# KiCad board DFTBoard.kicad_pcb (continued)
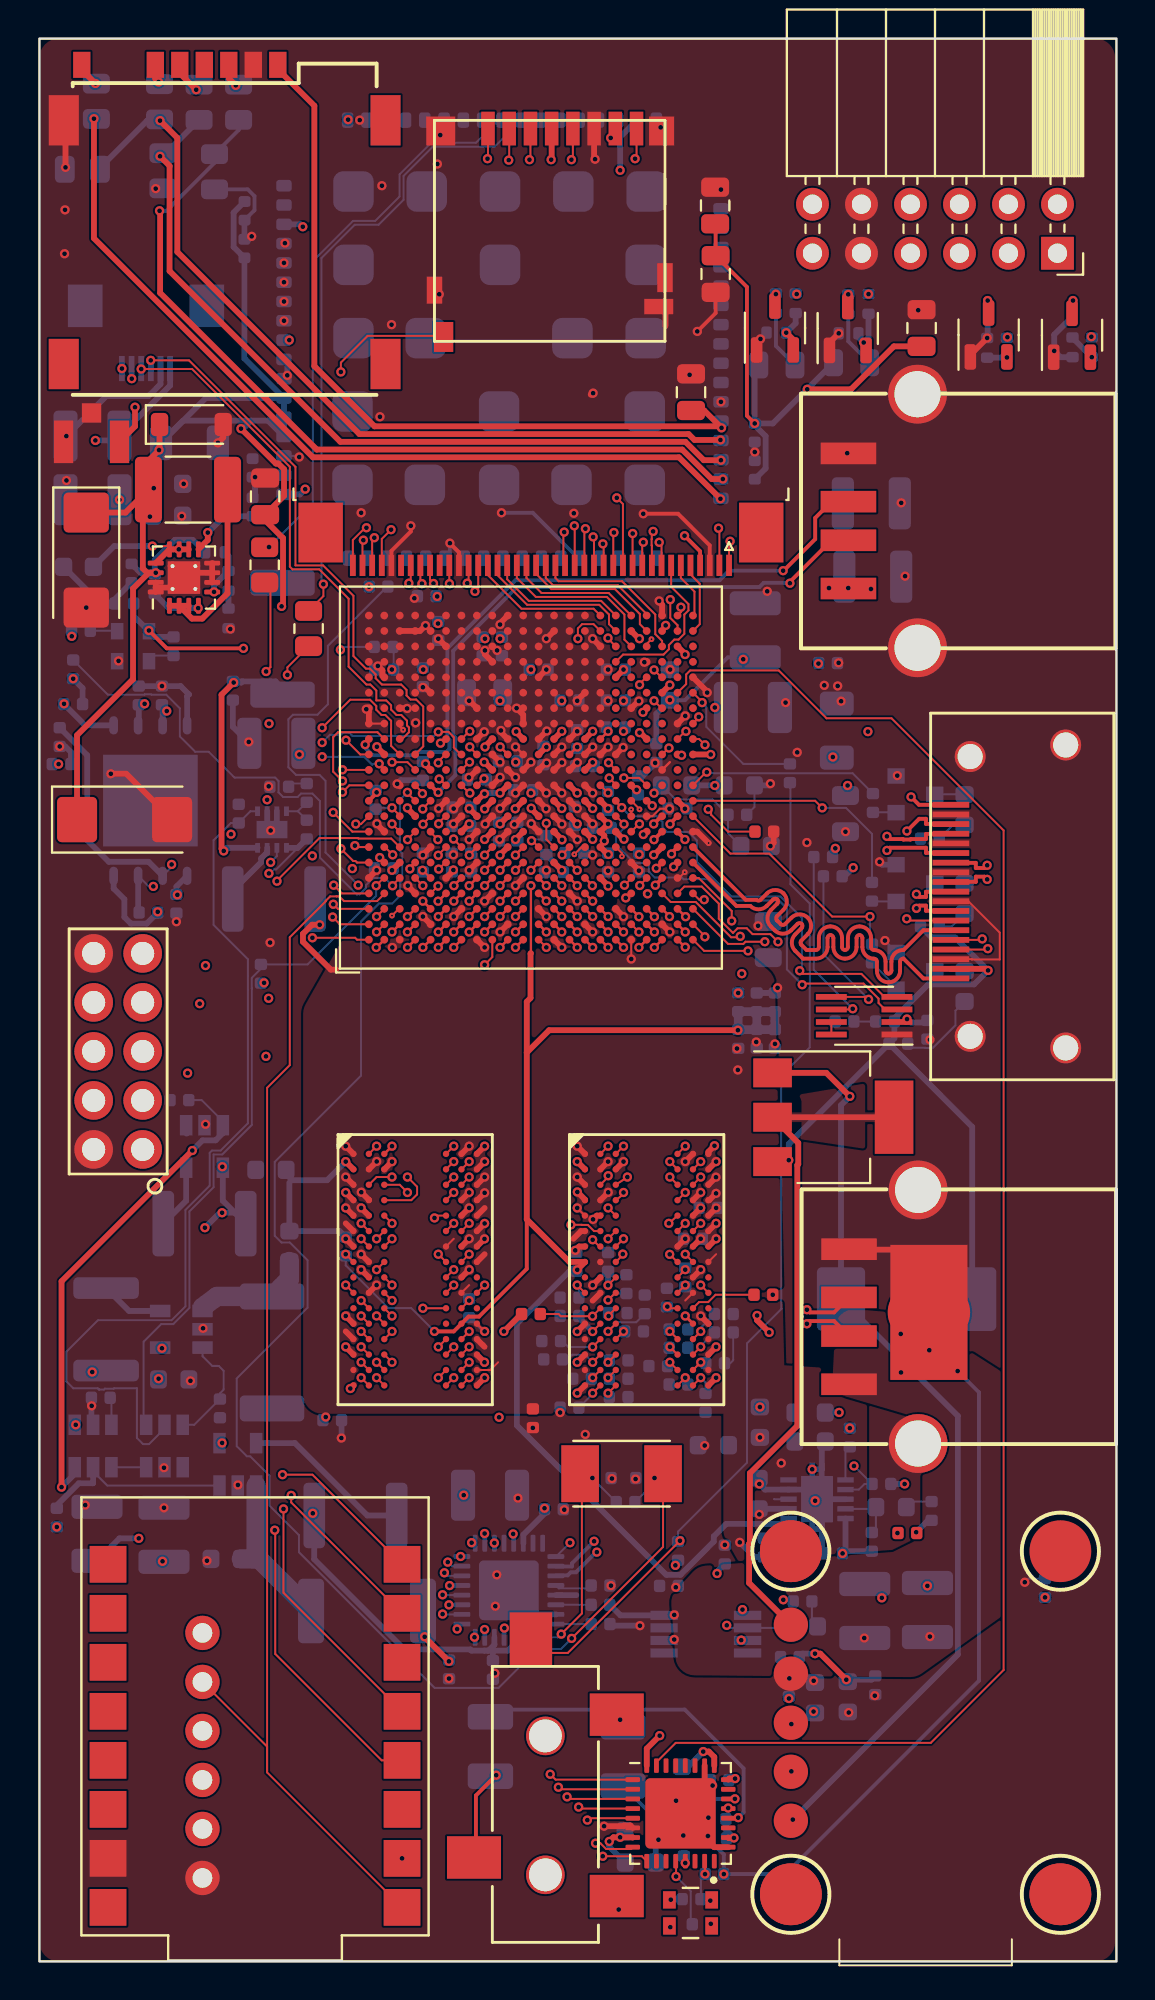
[diagram p0: board, top side]
## Routing (per net, layer and track width the routed paths; a pad name or vN(x,y) marks a point on that pad's centre or on a via; arc(x,y) is an arc through that point) (continued)
GNDA: length 42.7
  TOP_GND w0.3: U9.26 34.48,8.92 ; U9.33 34.98,5.92 U9.17
  BOTTOM w0.2: v1(47.59,30.59) 48.7,29.49 48.7,14.55 38.68,4.53 v1(35.47,4.53) 35.47,5.54 C62.2
  BOTTOM w0.3: C35.1 32.75,3.23 v1(32.72,3.2) ; C60.2 31.94,6.74
  vias: v1(30.03,2.69) v1(32.09,6.31) v1(32.7,1.78) v1(33,8.33) v1(33.38,6.53) v1(34.68,7.45) v1(34.65,6.5) v1(34.89,9.11) v1(35.7,7.95) v1(44.65,32.52) v1(44.66,30.52) v1(46.12,31.68)
/Audio/HPRCOM_C_N: length 5.4
  TOP_GND w0.2: v1(23.68,9.65) 22.62,8.6 22.62,4.69
/Audio/HPRCOM_C_P:
  vias: v1(30.1,12.53)
/Audio/HPSWITCH: length 52.6
  TOP_GND w0.102: v1(33.2,21.8) 27.39,15.99 25.58,15.99
  BOTTOM w0.102: R31.2 38.9,60.83 38.93,60.8 38.93,55.83 39.93,54.82 39.93,47.38 38.45,45.89 38.45,33.85 38.47,33.83 36.68,32.03 36.68,25.85 33.1,22.28 R28.1
/Audio/MICBIAS: length 2.3
  TOP_GND w0.102: v1(34.5,4.53) 34.5,5.18
  BOTTOM w0.102: 34.28,4.31 34.28,3.23 34.7,3.23 v1(34.78,3.15)
/Audio/SIG_F: length 3.5
  TOP_GND w0.102: v1(33,4.4) 33,5.18
  BOTTOM w0.102: 33.76,2 33.76,3.64 v1(33,4.4)
/Audio/SIGC_F:
  vias: v1(34.8,1.95)
/Comm/NetLight: length 35.1
  SIGNAL2 w0.3: v1(13.78,76.3) 13.78,77.1 22.15,85.48 42.04,85.48 v1(42.97,86.41)
  BOTTOM w0.3: U13.52 13.5,76.03 v1(13.78,76.3)
/Comm/sim_clk: length 41.5
  TOP_GND w0.3: v1(6.25,93.55) 6.75,93.05 6.75,87.6 15.6,78.75 33.48,78.75 34.44,77.8 v1(35.33,77.8)
  BOTTOM w0.3: R32.1 6.39,93.55
/Comm/sim_clk#: length 1.2
  TOP_GND w0.3: 7.28,97.85 v1(8.12,97)
/Comm/sim_data: length 43.5
  TOP_GND w0.3: v1(35.3,78.85) 33.95,78.85 33.65,79.15 16.59,79.15 7.15,88.59 7.15,94.5 v1(6.25,95.4)
  BOTTOM w0.3: v1(6.25,95.4) 5.58,95.4 3.14,92.96
/Comm/sim_data#: length 1
  TOP_GND w0.3: 6.01,98.29 6.01,97.57 v1(6.18,97.4)
/Comm/sim_det: length 44.3
  TOP_GND w0.3: v1(2.83,95.5) 2.83,89.3 14.18,77.95 33.15,77.95 v1(35.3,75.8)
/Comm/sim_det#: length 1
  TOP_GND w0.3: 2.2,98.03 v1(2.9,97.33)
/Comm/sim_rst: length 44.1
  TOP_GND w0.3: v1(35.43,76.83) 34.84,76.83 33.32,78.35 14.37,78.35 6.25,86.47 6.25,90.7 v1(6.23,90.73)
  BOTTOM w0.2: R42.1 10.33,94.91 C135.1 9.08,93.21 6.59,90.73 v1(6.23,90.73)
/Comm/sim_rst#: length 1.2
  TOP_GND w0.3: 9.82,98.29 9.82,97.59 v1(10.18,97.23)
/Comm/Status: length 28.5
  SIGNAL2 w0.3: v1(13.65,89.9) 17.65,85.9 38.74,85.9 v1(39.25,86.41)
  BOTTOM w0.3: v1(13.65,89.9) 13.53,90.03 U13.66
/Comm/VSIM: length 40.6
  TOP_GND w0.3: C16.1 34.46,80.38 v1(35.36,79.48) 35.28,79.56 17.37,79.56 14.25,82.68 14.25,96.17 12.36,98.07
/DDR3/PGOOD_LED: length 1
  BOTTOM w0.102: R102.1 45.22,23.83
/DDR3/VREF: length 99.8
  TOP_GND w0.102: U16.H1 v1(15.88,36.65) ; U20.P7 27.09,57.37 v1(27.09,57.34) ; v1(22.28,57.33) 22.28,57.36 U20.H7
  TOP_GND w0.12: 25.48,52.25 v1(25.48,55.75)
  TOP_GND w0.15: U15.M8 v1(33.47,33.45)
  TOP_GND w0.2: v1(20.48,32.65) 21.48,32.65 U16.M8 22.24,33.42 22.79,33.42 25.26,35.89 25.26,38.46
  TOP_GND w0.3: v1(36.21,48.26) 26.42,48.26 25.26,47.1 ; 25.26,47.1 25.26,38.46 27.47,36.25 U15.H1 ; 25.26,47.1 25.26,49.74 25.46,49.93 25.46,52.23 25.48,52.25 ; 28.28,36.24 v1(27.88,35.84)
  SIGNAL2 w0.102: v1(22.28,57.33) 22.67,56.95 22.67,56.39 22.9,56.16 25.07,56.16 v1(25.48,55.75) 25.87,56.14 26.45,56.14 26.68,56.38 26.68,56.93 v1(27.09,57.34)
  SIGNAL4 w0.15: v1(33.47,33.45) 33.24,33.69 33.24,33.87 30.86,36.24 28.9,36.24 28.88,36.26 28.29,36.26 v1(27.88,35.84)
  BOTTOM w0.102: v1(15.88,36.65) 15.88,36.07 18.09,33.86 19.27,33.86 v1(20.48,32.65)
  BOTTOM w0.12: 38.38,48.49 38.12,48.75
  BOTTOM w0.3: U8.1 38.55,22.67 35.6,22.67 34.96,22.03 34.96,21.76 33.23,20.03 32.49,20.03 24.75,27.78 24.75,33.04 27.47,35.77 C93.1
  BOTTOM w0.45: R48.1 R47.2 ; C95.1 C97.1 C96.2 C94.2 C95.1
/DDR3/ZQH: length 3.5
  TOP_GND w0.102: U15.L8 34.19,34.17 34.66,34.17 35.05,34.55 R46.1
/DDR3/ZQL: length 0.6
  TOP_GND w0.102: U16.L8 v1(22.28,34.25)
/LCD50/SLED0_D: length 1.5
  BOTTOM w0.102: Q8.3 47.94,60.49
/LCD50/SLED0_G: length 1.2
  BOTTOM w0.102: 43.16,59.55 44.39,59.55
/LCD50/SLED0_R: length 1.6
  BOTTOM w0.102: R78.2 47.35,58.9 D4.2
/LCD50/SLED1_D: length 1.5
  BOTTOM w0.102: Q9.3 47.94,55.89
/LCD50/SLED1_G: length 1.2
  BOTTOM w0.102: Q9.1 43.17,54.94
/LCD50/SLED1_R: length 1.6
  BOTTOM w0.102: D5.2 47.29,53.64 R80.1
/LCD50/SLED2_D: length 1.5
  BOTTOM w0.102: Q10.3 47.94,51.34
/LCD50/SLED2_G: length 1.8
  BOTTOM w0.102: R85.1 44.41,50.5
/LCD50/SLED2_R: length 4.2
  BOTTOM w0.102: D6.2 47.48,49.27 47.48,48.51 46.32,47.35 46.26,47.35 46.25,47.34 45.92,47.34 45.91,47.35 45.22,47.35
/USB/USBH_FLAG_LED: length 1
  BOTTOM w0.102: R35.1 40.04,17.65
AX_TCLK: length 46.6
  TOP_GND w0.102: v1(22.31,60.55) 22.27,60.55 U20.G11
  SIGNAL2 w0.102: CON1.1 3.96,43.47 3.96,45.1 3.05,46.01 2.29,46.01 1.66,46.64 1.66,53.35 14.73,66.43 21.74,66.43 23.49,64.67 23.49,62.78 23.47,62.77 23.47,62.02 23.21,61.76 22.95,61.76 22.65,61.46 22.65,61.14 22.68,61.11 22.68,60.92 v1(22.31,60.55)
AX_TDI: length 26.1
  TOP_GND w0.102: U20.H13 22.31,62.92 v1(22.31,62.94)
  SIGNAL2 w0.102: v1(22.31,62.94) 22.25,62.94 20.22,64.97 19.58,64.97 19.22,65.33 17.1,65.33 17.06,65.29 14.71,65.29 5.35,55.93 CON1.9
AX_TDO: length 35.4
  TOP_GND w0.102: v1(22.31,63.75) 22.28,63.75 U20.G14
  SIGNAL2 w0.102: v1(22.31,63.75) 20.6,65.45 19.67,65.45 19.39,65.73 14.35,65.73 3.96,55.35 3.96,46.01 CON1.3
AX_TMS: length 34.1
  TOP_GND w0.102: U20.G12 22.28,62.16 v1(22.29,62.16)
  SIGNAL2 w0.102: v1(22.29,62.16) 22.69,62.55 22.69,62.78 22.7,62.79 22.7,63.12 22.47,63.35 22.14,63.35 20.24,65.25 19.59,65.25 19.31,65.53 14.44,65.53 4.17,55.26 4.17,48.34 CON1.5
BOOTSPI_CS: length 27.6
  TOP_GND w0.102: v1(14.15,53.05) 16.36,53.05 16.46,52.95 U20.A1
  GND0 w0.102: v1(1.28,65.18) 0.6,64.5 0.6,60.45 6.78,54.28 12.93,54.28 v1(14.15,53.05)
  BOTTOM w0.3: R106.1 2.37,64.06 U19.1
BOOTSPI_DQ0_BMODE3: length 12.9
  TOP_GND w0.102: U20.A2 15.57,53.75 v1(15.2,54.13)
  GND0 w0.102: v1(15.2,54.13) 15.63,54.55 15.63,54.97 15.41,55.18 15,55.18 14.91,55.28 v1(7.15,55.28)
  BOTTOM w0.3: R92.1 7.1,55.7 U19.5
BOOTSPI_DQ1_BMODE1: length 21.4
  TOP_GND w0.102: 21.04,56.95 v1(20.7,56.61)
  GND0 w0.102: v1(20.7,56.61) 21.1,57.02 21.1,57.15 21.07,57.19 21.07,57.5 20.84,57.73 18.49,57.73 17.69,58.53 14.9,58.53 9.02,64.41 6.22,64.41 v1(5.45,65.18)
  BOTTOM w0.3: R94.1 5.15,64.09
BOOTSPI_DQ2_BMODE2: length 23
  TOP_GND w0.102: v1(20.66,55.73) 20.66,55.73 U20.E4
  GND0 w0.102: v1(20.66,55.73) 21.1,56.17 21.65,56.17 21.85,56.37 21.85,57.52 21.6,57.77 21.3,57.77 21.05,58.03 21.05,58.43 20.93,58.54 17.98,58.54 17.88,58.64 17.88,59.13 16.81,60.2 14.42,60.2 9.83,64.8 v1(6.6,64.8)
  BOTTOM w0.3: U19.3 6.39,65.09
BOOTSPI_DQ3_BMODE0: length 14.7
  TOP_GND w0.102: v1(15.23,54.79) 15.47,54.55 U20.A3
  GND0 w0.102: v1(5.9,55.71) 7.01,54.6 15.05,54.6 v1(15.23,54.79)
  BOTTOM w0.102: v1(5.9,55.71) 5.66,55.71 5.12,56.26
  BOTTOM w0.3: 5.12,56.26 5.12,54.41
BOOTSPI_SCK_BMODE4: length 23.1
  TOP_GND w0.102: v1(15.25,55.78) 15.68,55.35 U20.A4
  GND0 w0.102: v1(15.25,55.78) 13.72,55.78 12.15,57.35 9.93,57.35 9.43,56.85 v1(6.85,56.85)
  BOTTOM w0.102: U19.6 6.85,56.72 v1(6.85,56.85)
  BOTTOM w0.3: R91.1 2.48,62.51 2.48,58.11 3.59,56.99 5.66,56.99 U19.6
CLK33.33: length 1.4
  BOTTOM w0.102: R100.2 4,68.96
CS: length 28.6
  TOP_GND w0.102: 17.25,72.35 17.25,73.67 v1(17.36,73.78) ; U20.V8 31.08,58.95 v1(31.1,58.95)
  GND0 w0.102: v1(17.36,73.78) 18.02,73.12 18.02,67.77 19.02,66.77 19.02,65.97 21.77,63.22 21.77,62.92 22.14,62.55 26.18,62.55 26.19,62.53 30.08,62.53 30.09,62.52 30.44,62.52 32.25,60.71 32.25,59.72 31.88,59.34 31.49,59.34 v1(31.1,58.95)
DDR3_A0: length 51.6
  TOP_GND w0.102: U16.N3 v1(18.28,32.65) ; U15.N3 v1(30.28,32.65)
  TOP_GND w0.13: v1(26.27,54.96) 26.27,54.96 U20.M4
  SIGNAL4 w0.102: v1(26.27,54.96) 26.68,54.55 26.68,51.53 26.18,51.03 25.75,51.03 24.3,49.58 24.26,49.54 24.21,49.52 24.16,49.51 24.1,49.51 24.05,49.52 24,49.54 23.92,49.61 23.87,49.63 23.82,49.64 23.76,49.64 23.71,49.63 23.66,49.61 23.62,49.58 23.53,49.49 23.5,49.45 23.48,49.4 23.47,49.35 23.47,49.29 23.48,49.24 23.5,49.19 23.53,49.15 23.71,48.98 23.7,48.97 23.87,48.8 23.9,48.76 23.93,48.71 23.94,48.66 23.94,48.61 23.93,48.55 23.9,48.5 23.87,48.46 23.79,48.38 23.74,48.35 23.7,48.32 23.64,48.31 23.59,48.31 23.54,48.32 23.49,48.35 23.45,48.38 23.1,48.72 23.06,48.75 23.01,48.78 22.96,48.79 22.91,48.79 22.85,48.78 22.81,48.75 22.76,48.72 22.68,48.64 22.65,48.6 22.62,48.55 22.61,48.49 22.61,48.44 22.62,48.39 22.65,48.34 22.68,48.3 23.02,47.95 23.05,47.91 23.08,47.86 23.09,47.81 23.09,47.76 23.08,47.7 23.05,47.66 23.02,47.61 22.94,47.53 22.9,47.5 22.85,47.47 22.79,47.46 22.74,47.46 22.69,47.47 22.64,47.5 22.6,47.53 22.26,47.87 22.21,47.91 22.16,47.93 22.11,47.94 22.06,47.94 22.01,47.93 21.96,47.91 21.91,47.87 21.83,47.79 21.8,47.75 21.77,47.7 21.76,47.65 21.76,47.59 21.77,47.54 21.8,47.49 21.83,47.45 22.17,47.11 22.21,47.06 22.23,47.02 22.24,46.96 22.24,46.91 22.23,46.86 22.21,46.81 22.17,46.76 22.09,46.68 22.05,46.65 22,46.62 21.95,46.61 21.89,46.61 21.84,46.62 21.79,46.65 21.75,46.68 21.41,47.02 21.36,47.06 21.32,47.08 21.26,47.09 21.21,47.09 21.16,47.08 21.11,47.06 21.07,47.02 20.98,46.94 20.95,46.9 20.93,46.85 20.91,46.8 20.91,46.74 20.93,46.69 20.95,46.64 20.98,46.6 21.32,46.26 21.36,46.22 21.38,46.17 21.39,46.11 21.39,46.06 21.38,46.01 21.36,45.96 21.32,45.92 21.24,45.83 21.2,45.8 21.15,45.78 21.1,45.76 21.04,45.76 20.99,45.78 20.94,45.8 20.9,45.83 20.56,46.17 20.52,46.21 20.47,46.23 20.41,46.24 20.36,46.24 20.31,46.23 20.26,46.21 20.22,46.17 20.13,46.09 20.1,46.05 20.08,46 20.07,45.95 20.07,45.89 20.08,45.84 20.1,45.79 20.17,45.71 20.19,45.66 20.2,45.61 20.2,45.55 20.19,45.5 20.17,45.45 20.13,45.41 17.88,43.15 17.88,38.7 17.08,37.9 17.08,36.4 16.93,36.25 15.83,36.25 15.38,35.8 15.38,34.85 15.58,34.65 17.33,34.65 17.88,34.1 17.88,33.05 v1(18.28,32.65) 18.68,33.05 24.03,33.05 24.43,33.45 24.53,33.45 24.56,33.45 24.6,33.43 24.63,33.41 24.66,33.39 24.68,33.35 24.69,33.32 24.7,33.24 24.71,33.21 24.73,33.17 24.76,33.15 24.79,33.13 24.83,33.11 24.87,33.11 24.93,33.11 24.96,33.11 25,33.13 25.03,33.15 25.06,33.17 25.08,33.21 25.09,33.24 25.1,33.32 25.11,33.35 25.13,33.39 25.16,33.41 25.19,33.43 25.23,33.45 25.27,33.45 28.06,33.45 28.46,33.04 29.88,33.04 v1(30.28,32.65)
DDR3_A1: length 52.1
  TOP_GND w0.102: U16.P7 v1(21.48,31.85) ; 33.08,31.45 32.68,31.84
  TOP_GND w0.13: U20.M5 v1(26.28,55.75)
  SIGNAL1 w0.102: 22.68,32.05 22.48,32.25 22.01,32.25 21.53,32.73 21.53,33.89 19.79,35.64 19.79,38.46 20.78,39.45 22.88,39.45 22.89,39.44 23.26,39.44 24.08,40.25 24.08,41.6 24.08,41.64 24.09,41.69 24.12,41.72 24.15,41.76 24.19,41.78 24.23,41.79 24.28,41.8 24.36,41.8 24.4,41.81 24.45,41.82 24.48,41.84 24.52,41.88 24.54,41.91 24.55,41.96 24.56,42 24.55,42.04 24.54,42.09 24.52,42.12 24.48,42.16 24.45,42.18 24.4,42.19 24.36,42.2 23.91,42.2 23.87,42.2 23.84,42.22 23.8,42.24 23.78,42.26 23.76,42.29 23.75,42.33 23.74,42.37 23.74,42.43 23.75,42.47 23.76,42.51 23.78,42.54 23.8,42.56 23.84,42.58 23.87,42.6 23.91,42.6 24.36,42.6 24.4,42.61 24.45,42.62 24.48,42.64 24.52,42.68 24.54,42.71 24.55,42.76 24.56,42.8 24.55,42.84 24.54,42.89 24.52,42.92 24.48,42.96 24.45,42.98 24.4,42.99 24.36,43 23.79,43 23.75,43.01 23.7,43.02 23.67,43.04 23.63,43.08 23.61,43.11 23.6,43.16 23.59,43.2 23.6,43.24 23.61,43.29 23.63,43.32 23.67,43.36 23.7,43.38 23.75,43.39 23.79,43.4 24.36,43.4 24.4,43.41 24.45,43.42 24.48,43.44 24.52,43.48 24.54,43.51 24.55,43.56 24.56,43.6 24.55,43.64 24.54,43.69 24.52,43.72 24.48,43.76 24.45,43.78 24.4,43.79 24.36,43.8 23.79,43.8 23.75,43.81 23.7,43.82 23.67,43.84 23.63,43.88 23.61,43.91 23.6,43.96 23.59,44 23.6,44.04 23.61,44.09 23.63,44.12 23.67,44.16 23.7,44.18 23.75,44.19 23.79,44.2 24.36,44.2 24.4,44.21 24.45,44.22 24.48,44.24 24.52,44.28 24.54,44.31 24.55,44.36 24.56,44.4 24.55,44.44 24.54,44.49 24.52,44.52 24.48,44.56 24.45,44.58 24.4,44.59 24.36,44.6 23.79,44.6 23.75,44.61 23.7,44.62 23.67,44.64 23.63,44.68 23.61,44.71 23.6,44.76 23.59,44.8 23.6,44.84 23.61,44.89 23.63,44.92 23.67,44.96 23.7,44.98 23.75,44.99 23.79,45 24.36,45 24.4,45.01 24.45,45.02 24.48,45.04 24.52,45.08 24.54,45.11 24.55,45.16 24.56,45.2 24.55,45.24 24.54,45.29 24.52,45.32 24.48,45.36 24.45,45.38 24.4,45.39 24.36,45.4 23.84,45.4 23.8,45.41 23.75,45.42 23.72,45.44 23.68,45.48 23.66,45.51 23.65,45.56 23.64,45.6 23.65,45.64 23.66,45.69 23.68,45.72 23.72,45.76 23.75,45.78 23.8,45.79 23.84,45.8 23.88,45.8 23.92,45.81 23.96,45.82 24,45.84 24.03,45.88 24.06,45.91 24.07,45.96 24.08,46 24.08,49.1 25.48,50.5 25.48,55.09 26.01,55.62 26.15,55.62 v1(26.28,55.75) ; 22.68,32.05 22.68,31.65 22.48,31.45 21.88,31.45 v1(21.48,31.85) ; 22.68,32.05 22.88,32.25 25.93,32.25 25.97,32.24 26.01,32.23 26.05,32.21 26.08,32.17 26.11,32.14 26.12,32.09 26.12,32.05 26.12,31.95 26.13,31.91 26.14,31.86 26.17,31.83 26.2,31.79 26.24,31.77 26.28,31.76 26.33,31.75 26.37,31.76 26.41,31.77 26.45,31.79 26.48,31.83 26.51,31.86 26.52,31.91 26.53,31.95 26.53,32.55 26.53,32.59 26.54,32.64 26.57,32.67 26.6,32.71 26.64,32.73 26.68,32.74 26.73,32.75 26.77,32.74 26.81,32.73 26.85,32.71 26.88,32.67 26.91,32.64 26.92,32.59 26.93,32.55 26.93,32.45 26.93,32.41 26.94,32.36 26.97,32.33 27,32.29 27.04,32.27 27.08,32.26 27.12,32.25 32.28,32.25 v1(32.68,31.85)
DDR3_A2: length 51.3
  TOP_GND w0.102: U16.P3 v1(18.28,31.05) ; U15.P3 v1(29.47,31.05)
  TOP_GND w0.13: U20.K4 v1(23.88,54.95)
  SIGNAL1 w0.102: v1(29.47,31.05) 29.08,30.65 28.38,30.65 27.9,30.18 25.7,30.18 24.98,29.45 19.88,29.45 v1(18.28,31.05)
  SIGNAL4 w0.102: v1(18.28,31.05) 18.28,31.78 17.8,32.25 16.48,32.25 16.28,32.05 16.28,31.65 16.03,31.4 15.33,31.4 12.98,33.75 12.98,36.8 12.95,36.83 12.95,38.34 12.95,38.36 12.94,38.39 12.92,38.41 12.9,38.43 12.88,38.44 12.86,38.45 12.83,38.46 12.82,38.46 12.8,38.46 12.77,38.47 12.75,38.48 12.73,38.5 12.71,38.52 12.71,38.55 12.7,38.58 12.7,38.74 12.71,38.76 12.71,38.79 12.73,38.81 12.75,38.83 12.77,38.84 12.8,38.85 12.82,38.86 13.08,38.86 13.1,38.86 13.13,38.87 13.15,38.88 13.17,38.9 13.19,38.92 13.19,38.95 13.2,38.98 13.2,39.14 13.19,39.16 13.19,39.19 13.17,39.21 13.15,39.23 13.13,39.24 13.1,39.25 13.08,39.26 12.82,39.26 12.8,39.26 12.77,39.27 12.75,39.28 12.73,39.3 12.71,39.32 12.71,39.35 12.7,39.38 12.7,39.54 12.71,39.56 12.71,39.59 12.73,39.61 12.75,39.63 12.77,39.64 12.8,39.65 12.82,39.66 13.08,39.66 13.1,39.66 13.13,39.67 13.15,39.68 13.17,39.7 13.19,39.72 13.19,39.75 13.2,39.78 13.2,39.94 13.19,39.96 13.19,39.99 13.17,40.01 13.15,40.03 13.13,40.04 13.1,40.05 13.08,40.06 12.82,40.06 12.8,40.06 12.77,40.07 12.75,40.08 12.73,40.1 12.71,40.12 12.71,40.15 12.7,40.18 12.7,40.34 12.71,40.36 12.71,40.39 12.73,40.41 12.75,40.43 12.77,40.44 12.8,40.45 12.82,40.46 13.08,40.46 13.1,40.46 13.13,40.47 13.15,40.48 13.17,40.5 13.19,40.52 13.19,40.55 13.2,40.58 13.2,40.74 13.19,40.76 13.19,40.79 13.17,40.81 13.15,40.83 13.13,40.84 13.1,40.85 13.08,40.86 12.82,40.86 12.8,40.86 12.77,40.87 12.75,40.88 12.73,40.9 12.71,40.92 12.71,40.95 12.7,40.98 12.7,41.14 12.71,41.16 12.71,41.19 12.73,41.21 12.75,41.23 12.77,41.24 12.8,41.25 12.82,41.26 12.83,41.26 12.86,41.26 12.88,41.27 12.9,41.28 12.92,41.3 12.94,41.32 12.95,41.35 12.95,41.38 12.95,43.28 20.9,51.23 21.45,51.23 22.28,52.05 23.23,52.05 23.48,52.3 23.48,54.33 23.69,54.54 23.81,54.54 23.88,54.61 v1(23.88,54.95)
DDR3_A3: length 53.5
  TOP_GND w0.102: U16.N2 v1(16.68,32.65) ; 29.08,32.25 28.67,31.85 v1(28.67,31.84)
  TOP_GND w0.13: U20.L4 v1(24.68,54.95)
  SIGNAL2 w0.102: v1(28.67,31.84) 28.28,31.45 27.14,31.45 27.11,31.45 27.07,31.47 27.04,31.49 27.01,31.51 26.99,31.55 26.98,31.58 26.97,31.66 26.96,31.69 26.94,31.73 26.91,31.75 26.88,31.77 26.84,31.79 26.81,31.79 26.74,31.79 26.71,31.79 26.67,31.77 26.64,31.75 26.61,31.73 26.59,31.69 26.58,31.66 26.58,31.62 26.58,31.45 26.54,31.45 26.54,31.28 26.54,31.24 26.53,31.21 26.51,31.17 26.48,31.15 26.45,31.13 26.41,31.11 26.38,31.11 26.31,31.11 26.28,31.11 26.24,31.13 26.21,31.15 26.18,31.17 26.16,31.21 26.15,31.24 26.14,31.32 26.13,31.35 26.11,31.39 26.08,31.41 26.05,31.43 26.01,31.45 25.98,31.45 18.68,31.45 17.48,32.65 v1(16.68,32.65)
  SIGNAL4 w0.102: v1(24.68,54.95) 24.28,54.55 24.28,52.01 23.31,51.05 21.67,51.05 19.15,48.53 19.11,48.49 19.07,48.47 19.02,48.46 18.97,48.46 18.92,48.47 18.87,48.49 18.8,48.56 18.75,48.58 18.7,48.59 18.65,48.59 18.6,48.58 18.56,48.56 18.52,48.53 18.41,48.42 18.38,48.38 18.36,48.33 18.35,48.28 18.35,48.23 18.36,48.18 18.38,48.14 18.41,48.1 18.57,47.94 18.57,47.94 18.71,47.8 18.73,47.77 18.75,47.73 18.76,47.68 18.76,47.64 18.75,47.6 18.73,47.56 18.71,47.52 18.56,47.38 18.53,47.35 18.49,47.33 18.44,47.32 18.4,47.32 18.36,47.33 18.32,47.35 18.28,47.38 17.99,47.67 17.95,47.71 17.9,47.73 17.85,47.74 17.8,47.74 17.75,47.73 17.71,47.71 17.67,47.67 17.56,47.56 17.53,47.53 17.51,47.48 17.5,47.43 17.5,47.38 17.51,47.33 17.53,47.29 17.56,47.25 17.86,46.95 17.89,46.92 17.9,46.88 17.91,46.84 17.91,46.79 17.9,46.75 17.89,46.71 17.86,46.67 17.71,46.53 17.68,46.5 17.64,46.48 17.6,46.47 17.55,46.47 17.51,46.48 17.47,46.5 17.43,46.53 17.14,46.83 17.1,46.86 17.05,46.88 17,46.89 16.95,46.89 16.91,46.88 16.86,46.86 16.82,46.83 16.71,46.72 16.68,46.68 16.66,46.63 16.65,46.58 16.65,46.53 16.66,46.49 16.68,46.44 16.71,46.4 17.01,46.11 17.04,46.07 17.06,46.03 17.07,45.99 17.07,45.94 17.06,45.9 17.04,45.86 17.01,45.83 16.86,45.68 16.83,45.65 16.79,45.63 16.75,45.62 16.7,45.62 16.66,45.63 16.62,45.65 16.58,45.68 16.29,45.98 16.25,46.01 16.2,46.03 16.16,46.04 16.11,46.04 16.06,46.03 16.01,46.01 15.97,45.98 15.86,45.87 15.83,45.83 15.81,45.78 15.8,45.74 15.8,45.69 15.81,45.64 15.83,45.59 15.86,45.55 16.16,45.26 16.19,45.22 16.21,45.18 16.22,45.14 16.22,45.09 16.21,45.05 16.19,45.01 16.16,44.98 16.02,44.83 15.98,44.8 15.94,44.79 15.9,44.78 15.85,44.78 15.81,44.79 15.77,44.8 15.74,44.83 15.44,45.13 15.4,45.16 15.36,45.18 15.31,45.19 15.26,45.19 15.21,45.18 15.16,45.16 15.13,45.13 15.02,45.02 14.98,44.98 14.96,44.94 14.95,44.89 14.95,44.84 14.96,44.79 14.98,44.74 15.05,44.67 15.07,44.62 15.08,44.57 15.08,44.52 15.07,44.47 15.05,44.43 15.02,44.39 13.45,42.83 13.45,40.78 13.45,40.78 13.45,33.88 14.57,32.76 14.57,32.76 15.08,32.25 16.18,32.25 16.58,32.65 v1(16.68,32.65)
  BOTTOM w0.102: 27.11,32.15 27.42,31.84 v1(28.67,31.84)
DDR3_A4: length 50.4
  TOP_GND w0.102: U16.P8 v1(22.28,31.85) ; U15.P8 v1(34.28,31.85)
  TOP_GND w0.13: U20.K6 v1(23.88,56.55)
  SIGNAL1 w0.102: v1(22.28,31.85) 22.09,31.85 21.33,32.61 21.33,33.55 19.29,35.59 19.29,38.66 20.87,40.24 22.46,40.24 22.48,40.23 23.33,40.23 23.48,40.38 23.48,42.5 23.18,42.8 22.68,42.8 22.43,43.05 22.43,43.35 22.95,43.88 22.95,46.53 22.96,46.57 22.97,46.61 22.99,46.65 23.03,46.68 23.06,46.71 23.11,46.72 23.15,46.73 23.2,46.73 23.25,46.73 23.29,46.74 23.33,46.77 23.36,46.8 23.38,46.84 23.4,46.88 23.4,46.93 23.4,46.97 23.38,47.01 23.36,47.05 23.33,47.08 23.29,47.11 23.25,47.12 23.2,47.13 22.7,47.13 22.65,47.13 22.61,47.14 22.57,47.17 22.54,47.2 22.52,47.24 22.5,47.28 22.5,47.33 22.5,47.37 22.52,47.41 22.54,47.45 22.57,47.48 22.61,47.51 22.65,47.52 22.7,47.53 23.2,47.53 23.25,47.53 23.29,47.54 23.33,47.57 23.36,47.6 23.38,47.64 23.4,47.68 23.4,47.73 23.4,47.77 23.38,47.81 23.36,47.85 23.33,47.88 23.29,47.91 23.25,47.92 23.2,47.93 22.7,47.93 22.65,47.93 22.61,47.94 22.57,47.97 22.54,48 22.52,48.04 22.5,48.08 22.5,48.13 22.5,48.17 22.52,48.21 22.54,48.25 22.57,48.28 22.61,48.31 22.65,48.32 22.7,48.33 22.75,48.33 22.79,48.33 22.84,48.34 22.87,48.37 22.91,48.4 22.93,48.44 22.94,48.48 22.95,48.53 22.95,48.6 25.08,50.73 25.08,56 24.93,56.15 24.28,56.15 v1(23.88,56.55)
  SIGNAL4 w0.102: v1(22.28,31.85) 22.68,31.45 26.03,31.45 26.07,31.44 26.11,31.43 26.15,31.41 26.18,31.37 26.21,31.34 26.22,31.29 26.23,31.25 26.23,31.18 26.23,31.13 26.24,31.09 26.27,31.05 26.3,31.02 26.34,31 26.38,30.98 26.43,30.98 26.47,30.98 26.51,31 26.55,31.02 26.58,31.05 26.61,31.09 26.62,31.13 26.62,31.18 26.62,31.25 26.63,31.29 26.64,31.34 26.67,31.37 26.7,31.41 26.74,31.43 26.78,31.44 26.83,31.45 U15.P8 v1(34.28,31.85)
  BOTTOM w0.102: v1(34.28,31.85) 34.28,31.89 R55.1
DDR3_A5: length 52.5
  TOP_GND w0.102: 29.08,31.45 v1(28.68,31.05) ; U16.P2 v1(16.68,31.85)
  TOP_GND w0.13: U20.K5 v1(23.88,55.75)
  SIGNAL1 w0.102: v1(28.68,31.05) 28.49,31.05 28.09,30.66 24.68,30.66 23.88,29.86 20.25,29.86 18.67,31.44 17.08,31.44 v1(16.68,31.85)
  SIGNAL4 w0.102: v1(23.88,55.75) 23.48,55.35 23.48,54.77 23.26,54.56 23.06,54.56 23.05,54.55 22.78,54.55 22.68,54.45 22.68,53.1 21.18,51.6 20.33,51.6 17.45,48.73 17.41,48.7 17.37,48.68 17.33,48.67 17.29,48.67 17.24,48.68 17.2,48.7 17.17,48.73 17.14,48.76 17.1,48.78 17.06,48.8 17.02,48.81 16.97,48.81 16.93,48.8 16.89,48.78 16.85,48.76 16.83,48.72 16.81,48.68 16.8,48.64 16.8,48.59 16.81,48.55 16.83,48.51 16.85,48.47 17.17,48.16 17.19,48.13 17.21,48.09 17.22,48.04 17.22,48 17.21,47.96 17.19,47.92 17.17,47.88 17.16,47.88 17.13,47.85 17.09,47.83 17.04,47.82 17,47.82 16.96,47.83 16.92,47.85 16.88,47.88 16.57,48.19 16.54,48.22 16.49,48.24 16.45,48.25 16.41,48.25 16.36,48.24 16.32,48.22 16.29,48.19 16.26,48.16 16.24,48.12 16.23,48.07 16.23,48.03 16.24,47.98 16.26,47.94 16.29,47.91 16.6,47.6 16.63,47.56 16.65,47.52 16.66,47.48 16.66,47.43 16.65,47.39 16.63,47.35 16.6,47.32 16.6,47.31 16.56,47.29 16.52,47.27 16.48,47.26 16.43,47.26 16.39,47.27 16.35,47.29 16.28,47.34 16.24,47.36 16.2,47.37 16.16,47.37 16.11,47.36 16.07,47.34 16.04,47.31 12.48,43.75 12.48,33.7 14.97,31.2 14.97,31.2 16.16,31.2 16.68,31.71 v1(16.68,31.85)
  BOTTOM w0.102: R56.1 27.38,31.2 27.62,31.44 28.28,31.44 v1(28.68,31.05)
DDR3_A6: length 50.7
  TOP_GND w0.102: U15.R8 v1(34.28,31.05) ; U16.R8 v1(22.28,31.05)
  TOP_GND w0.13: U20.J7 23.08,57.35 v1(23.08,57.33)
  SIGNAL1 w0.102: v1(23.08,57.33) 23.48,56.93 23.48,54.75 23.68,54.55 24.08,54.55 24.28,54.35 24.28,50.6 21.48,47.8 21.48,47.4 21.47,47.36 21.46,47.31 21.43,47.28 21.4,47.24 21.36,47.22 21.32,47.21 21.28,47.2 21.22,47.2 21.18,47.19 21.14,47.18 21.1,47.16 21.07,47.12 21.04,47.09 21.03,47.04 21.02,47 21.03,46.96 21.04,46.91 21.07,46.88 21.1,46.84 21.14,46.82 21.18,46.81 21.22,46.8 21.73,46.8 21.77,46.79 21.81,46.78 21.85,46.76 21.88,46.72 21.91,46.69 21.92,46.64 21.93,46.6 21.92,46.56 21.91,46.51 21.88,46.48 21.85,46.44 21.81,46.42 21.77,46.41 21.73,46.4 21.22,46.4 21.18,46.39 21.14,46.38 21.1,46.36 21.07,46.32 21.04,46.29 21.03,46.24 21.02,46.2 21.03,46.16 21.04,46.11 21.07,46.08 21.1,46.04 21.14,46.02 21.18,46.01 21.22,46 21.73,46 21.77,45.99 21.81,45.98 21.85,45.96 21.88,45.92 21.91,45.89 21.92,45.84 21.93,45.8 21.92,45.76 21.91,45.71 21.88,45.68 21.85,45.64 21.81,45.62 21.77,45.61 21.73,45.6 21.22,45.6 21.18,45.59 21.14,45.58 21.1,45.56 21.07,45.52 21.04,45.49 21.03,45.44 21.02,45.4 21.03,45.36 21.04,45.31 21.07,45.28 21.1,45.24 21.14,45.22 21.18,45.21 21.22,45.2 21.73,45.2 21.77,45.19 21.81,45.18 21.85,45.16 21.88,45.12 21.91,45.09 21.92,45.04 21.93,45 21.92,44.96 21.91,44.91 21.88,44.88 21.85,44.84 21.81,44.82 21.77,44.81 21.73,44.8 21.68,44.8 21.63,44.79 21.59,44.78 21.55,44.76 21.52,44.72 21.49,44.69 21.48,44.64 21.48,44.6 21.48,43.2 20.73,42.45 20.73,40.75 18.68,38.7 18.68,35.55 19.98,34.24 20.06,34.24 20.34,33.96 20.34,33.88 20.98,33.25 20.98,32.35 21.08,32.25 21.08,31.65 21.68,31.05 v1(22.28,31.05) 22.67,30.66 23.96,30.66 24.76,31.45 29.08,31.45 29.12,31.45 29.16,31.47 29.19,31.49 29.22,31.52 29.25,31.56 29.26,31.6 29.27,31.68 29.28,31.72 29.31,31.76 29.34,31.79 29.37,31.81 29.41,31.82 29.45,31.83 29.68,31.83 29.72,31.82 29.76,31.81 29.79,31.79 29.82,31.76 29.85,31.72 29.86,31.68 29.87,31.6 29.88,31.56 29.91,31.52 29.94,31.49 29.97,31.47 30.01,31.45 30.05,31.45 33.88,31.45 v1(34.28,31.05)
  BOTTOM w0.102: 34.49,31.05 v1(34.28,31.05) 34.54,31.05
DDR3_A7: length 51.4
  TOP_GND w0.102: U16.R2 v1(16.68,31.05) ; 29.08,30.65 v1(28.68,30.25)
  TOP_GND w0.13: U20.J6 v1(23.08,56.55)
  SIGNAL2 w0.102: v1(28.68,30.25) 28.28,29.85 27.44,29.85 27.41,29.85 27.37,29.87 27.34,29.89 27.31,29.91 27.29,29.95 27.28,29.98 27.27,30.06 27.26,30.09 27.24,30.13 27.21,30.15 27.18,30.17 27.14,30.18 27.11,30.19 27.04,30.19 27.01,30.18 26.97,30.17 26.94,30.15 26.91,30.13 26.89,30.09 26.88,30.06 26.88,30.02 26.88,29.85 26.84,29.85 26.84,29.68 26.84,29.64 26.83,29.61 26.81,29.57 26.78,29.55 26.75,29.53 26.71,29.52 26.68,29.51 26.61,29.51 26.58,29.52 26.54,29.53 26.51,29.55 26.48,29.57 26.46,29.61 26.45,29.64 26.44,29.72 26.43,29.75 26.41,29.79 26.38,29.81 26.35,29.83 26.31,29.85 26.28,29.85 18.68,29.85 17.88,30.65 U16.R2 v1(16.68,31.05)
  SIGNAL4 w0.102: v1(23.08,56.55) 22.67,56.15 22.67,54.77 22.45,54.55 22.08,54.55 21.88,54.35 21.88,53.15 21.68,52.95 21.18,52.95 21.08,52.85 21.08,52.35 20.78,52.05 19.73,52.05 18.6,50.93 18.57,50.9 18.53,50.88 18.49,50.87 18.45,50.87 18.41,50.88 18.37,50.9 18.3,50.95 18.26,50.97 18.22,50.98 18.18,50.98 18.14,50.97 18.1,50.95 18.07,50.93 18.05,50.91 18.03,50.87 18.01,50.84 18,50.8 18,50.75 18.01,50.71 18.03,50.68 18.05,50.64 18.18,50.51 18.18,50.5 18.34,50.34 18.36,50.31 18.38,50.27 18.39,50.22 18.39,50.18 18.38,50.13 18.36,50.09 18.34,50.06 18.3,50.03 18.26,50.01 18.22,50 18.17,50 18.13,50.01 18.09,50.03 18.05,50.06 17.76,50.35 17.73,50.38 17.69,50.4 17.65,50.4 17.61,50.4 17.57,50.4 17.53,50.38 17.49,50.35 17.48,50.33 17.45,50.3 17.43,50.26 17.42,50.22 17.42,50.18 17.43,50.14 17.45,50.1 17.5,50.03 17.52,50 17.53,49.96 17.53,49.91 17.52,49.87 17.5,49.84 17.48,49.8 15.73,48.06 12.04,44.36 12.04,33.46 14.51,30.99 16.28,30.99 16.34,31.05 v1(16.68,31.05)
